# Altium PCB Quad-Stage-Prototype_V1.0.PcbDoc (part 2 of 3) (continued)
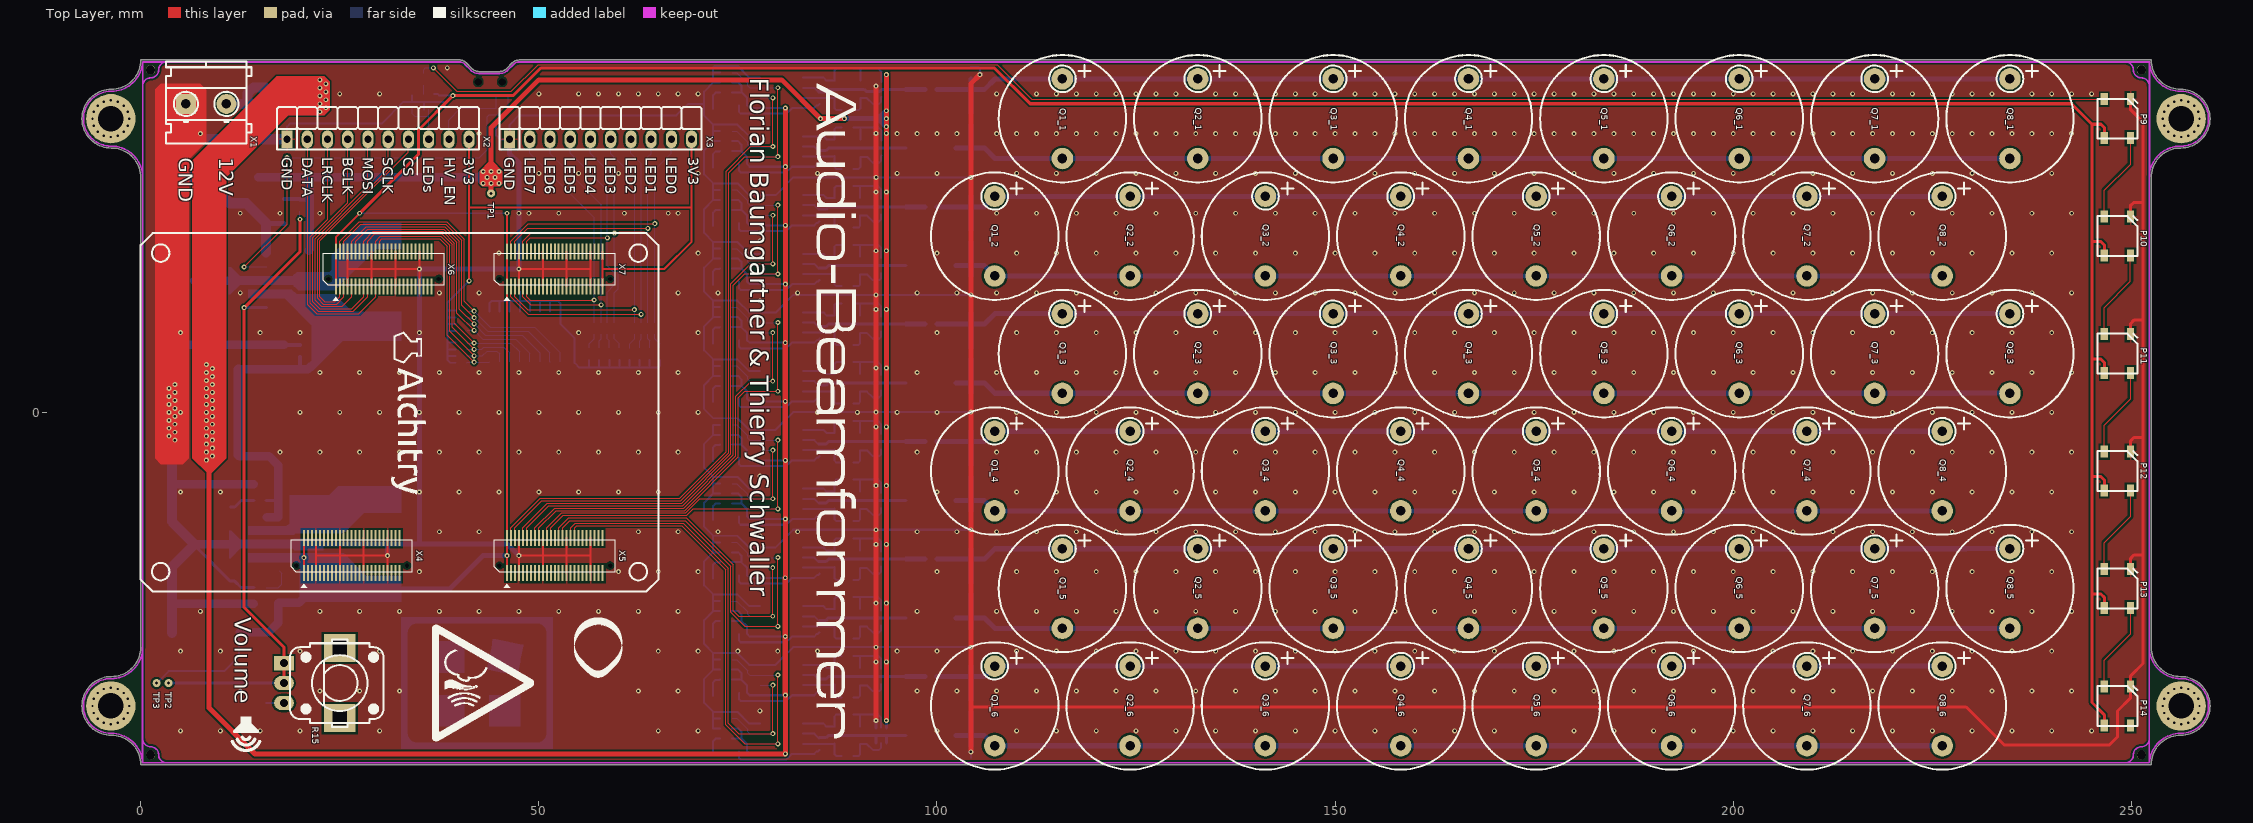
[diagram p0: Top Layer view]
## Nets (pads, with @x,y where several pads share a name; then routed paths per layer and width w, separated by ;. In a path a pad name is that pad's centre, name@x,y a point inside that pad or via, vN(x,y) a via of type N, cw(c..) or ccw(c..) an arc to the next point about the centre after c; other vN are vias at no path point) (continued)
HI1: R12_1.2 U1_1.2 U2_1.3 X5.48 | length 91.8
  Top Layer w0.152: X5.48@47,-15.8 47,-14.5 50.384,-11.116 67.797,-11.116 73.819,-5.094 73.819,30.069 75.868,32.118 v1(80.021,32.118) v1(80.021,40.762)
  Bottom Layer w0.152: R12_1.2@74.265,42.674 74.876,42.674 76.25,41.3 76.25,41 76.495,40.755 U2_1.3@77.803,40.755 v1@80.028,40.755 ; U1_1.2@77.803,32.111 v1@80.028,32.111
HI2: R12_2.2 U1_2.2 U2_2.3 X5.45 | length 76.1
  Top Layer w0.152: X5.45@48.5,-15.8 48.5,-14.5 50.624,-12.376 51.274,-11.726 68.05,-11.726 74.429,-5.347 74.429,15.929 75.873,17.373 v1(80.018,17.373) v1(80.018,26.017)
  Bottom Layer w0.152: R12_2.2@74.262,27.929 74.873,27.929 76.247,26.555 76.247,26.255 76.492,26.01 U2_2.3@77.8,26.01 v1@80.025,26.01 ; U1_2.2@77.8,17.366 v1@80.025,17.366
HI3: R12_3.2 U1_3.2 U2_3.3 X5.42 | length 60.4
  Top Layer w0.152: X5.42@50,-15.8 50,-14.5 52.164,-12.336 68.302,-12.336 75.055,-5.583 75.055,1.825 75.873,2.643 v1(80.014,2.643) v1(80.014,11.287)
  Bottom Layer w0.152: R12_3.2@74.258,13.199 74.869,13.199 76.243,11.825 76.243,11.525 76.488,11.28 U2_3.3@77.796,11.28 v1@80.021,11.28 ; U1_3.2@77.796,2.636 v1@80.021,2.636
HI4: R12_4.2 U1_4.2 U2_4.3 X5.39 | length 48.4
  Top Layer w0.152: X5.39@51.5,-15.8 51.5,-14.5 53.055,-12.945 68.555,-12.945 69.373,-12.127 v1(80.018,-12.127) v1(80.018,-3.483)
  Bottom Layer w0.152: R12_4.2@74.262,-1.571 74.873,-1.571 76.247,-2.945 76.247,-3.245 76.492,-3.49 U2_4.3@77.8,-3.49 v1@80.025,-3.49 ; U1_4.2@77.8,-12.134 v1@80.025,-12.134
HI5: R12_5.2 U1_5.2 U2_5.3 X5.36 | length 55.2
  Top Layer w0.152: X5.36@53,-15.8 53,-14.5 53.89,-13.61 68.36,-13.61 74.11,-19.36 74.11,-25.119 75.873,-26.882 v1(80.014,-26.882) v1(80.014,-18.238)
  Bottom Layer w0.152: R12_5.2@74.258,-16.326 74.869,-16.326 76.243,-17.7 76.243,-18 76.488,-18.245 U2_5.3@77.796,-18.245 v1@80.021,-18.245 ; U1_5.2@77.796,-26.889 v1@80.021,-26.889
HI6: R12_6.2 U1_6.2 U2_6.3 X5.33 | length 67.3
  Top Layer w0.152: X5.33@54.5,-15.8 54.5,-14.5 54.781,-14.219 67.969,-14.219 73.5,-19.75 73.5,-39.25 75.877,-41.627 v1(80.018,-41.627) v1(80.018,-32.983)
  Bottom Layer w0.152: R12_6.2@74.262,-31.071 74.873,-31.071 76.247,-32.445 76.247,-32.745 76.492,-32.99 U2_6.3@77.8,-32.99 v1@80.025,-32.99 ; U1_6.2@77.8,-41.634 v1@80.025,-41.634
HV: C11.2 C12.P D8.K K1_1.6 K1_2.6 K1_3.6 K1_4.6 K1_5.6 K1_6.6 K2_1.6 K2_2.6 K2_3.6 K2_4.6 K2_5.6 K2_6.6 R14.2 TP1.1 | length 201
  Top Layer w0.635: TP1.1@44,27.5 44,29.9 ; v1@44,30.5 44,35.75 50,41.75 80.5,41.75 v1(85.375,36.875) v1(86.375,36.875) v1(87.375,36.875) v1(88.375,36.875) ; v1@93.635,-31.329 v1(93.635,-23.961) v1(93.635,-16.587) ; v1@93.635,-1.804 v1(93.635,5.564) v1(93.635,12.938) ; v1(93.639,-38.706) v1(93.639,-31.332) ; v1@93.639,-16.574 v1(93.639,-9.206) v1(93.639,-1.832) ; v1@93.639,12.926 v1(93.639,20.294) v1(93.639,27.668) ; v1@93.642,27.671 v1(93.642,35.039) v1(93.642,42.413)
  Bottom Layer w0.381: K1_5.6@93.646,-24.867 v1@93.646,-23.972 ; K2_5.6@93.646,-17.493 v1@93.646,-16.598 ; K1_3.6@93.646,4.658 v1@93.646,5.553 ; K2_3.6@93.646,12.032 v1@93.646,12.927 ; K1_6.6@93.65,-39.612 v1@93.65,-38.717 ; K2_6.6@93.65,-32.238 v1@93.65,-31.343 ; K1_4.6@93.65,-10.112 v1@93.65,-9.217 ; K2_4.6@93.65,-2.738 v1@93.65,-1.843 ; K1_2.6@93.65,19.388 v1@93.65,20.283 ; K2_2.6@93.65,26.762 v1@93.65,27.657 ; K1_1.6@93.653,34.133 v1@93.653,35.028 ; K2_1.6@93.653,41.507 v1@93.653,42.402
  Bottom Layer w0.508: C11.2@18,26.774 19.988,26.774 R14.2@20,26.762 20.012,26.75 21.25,26.75
  Bottom Layer w0.635: v1(85.375,36.875) v1(86.375,36.875) v1(87.375,36.875) v1(88.375,36.875) v1(93.65,36.875) ; v1(93.65,35.875) v1(93.65,36.875) ; v1(93.65,37.875) v1(93.65,36.875)
  Bottom Layer w1.067: C12.P@14.75,29.55 21.25,29.55 ; D8.K@21.1,20.3 21.25,20.45 21.25,26.75 21.25,29.55 ; v1@44.5,29.55 44,29.55 21.25,29.55
  other v1: 43,28.75 44,28.75 45,28.75 43.5,29.5 44.5,29.5 43,30.25 44,30.25 45,30.25
HV_EN: R16.2 S2.2 X2.9 | length 10.5
  Bottom Layer w0.152: X2.9@38.705,34.29 38.705,36.705 40.162,38.162 R16.2@44.625,38.162 44.65,38.187 S2.2@44.65,39.75
LED: R20.2 U5.2 X2.8 | length 6.7
  Bottom Layer w0.152: R20.2@34.1,38.238 34.1,37.5 34.4,37.2 36.2,37.2 ; X2.8@36.165,34.29 36.2,34.325 36.2,37.2 ; U5.2@36.2,38.05 36.2,37.2
LI1: R11_1.2 U1_1.3 U2_1.2 X5.49 | length 88.4
  Top Layer w0.152: X5.49@46.5,-15.8 46.5,-14.5 50.188,-10.812 67.671,-10.812 73.514,-4.968 73.514,30.264 76.638,33.388 v1(79.386,33.388) v1(79.386,39.492)
  Bottom Layer w0.152: R11_1.2@74.265,35.3 74.876,35.3 76.25,33.926 76.25,33.626 76.495,33.381 U1_1.3@77.803,33.381 v1@79.386,33.381 ; U2_1.2@77.803,39.485 v1@79.393,39.485
LI2: R11_2.2 U1_2.3 U2_2.2 X5.46 | length 72.7
  Top Layer w0.152: X5.46@48,-15.8 48,-14.5 51.079,-11.421 67.924,-11.421 74.124,-5.221 74.124,16.124 76.643,18.643 v1(79.383,18.643) v1(79.383,24.747)
  Bottom Layer w0.152: R11_2.2@74.262,20.555 74.873,20.555 76.247,19.181 76.247,18.881 76.492,18.636 U1_2.3@77.8,18.636 v1@79.383,18.636 ; U2_2.2@77.8,24.74 v1@79.39,24.74
LI3: R11_3.2 U1_3.3 U2_3.2 X5.43 | length 57
  Top Layer w0.152: X5.43@49.5,-15.8 49.5,-14.5 51.969,-12.031 68.176,-12.031 74.75,-5.457 74.75,2 76.663,3.913 v1(79.379,3.913) v1(79.379,10.017)
  Bottom Layer w0.152: R11_3.2@74.258,5.825 74.869,5.825 76.243,4.451 76.243,4.151 76.488,3.906 U1_3.3@77.796,3.906 v1@79.379,3.906 ; U2_3.2@77.796,10.01 v1@79.386,10.01
LI4: R11_4.2 U1_4.3 U2_4.2 X5.40 | length 45
  Top Layer w0.152: X5.40@51,-15.8 51,-14.5 52.86,-12.64 68.429,-12.64 70.212,-10.857 v1(79.383,-10.857) v1(79.383,-4.753)
  Bottom Layer w0.152: R11_4.2@74.262,-8.945 74.873,-8.945 76.247,-10.319 76.247,-10.619 76.492,-10.864 U1_4.3@77.8,-10.864 v1@79.383,-10.864 ; U2_4.2@77.8,-4.76 v1@79.39,-4.76
LI5: R11_5.2 U1_5.3 U2_5.2 X5.37 | length 51
  Top Layer w0.152: X5.37@52.5,-15.8 52.5,-14.5 53.75,-13.25 68.5,-13.25 74.414,-19.164 74.414,-24.923 75.103,-25.612 v1(79.379,-25.612) v1(79.379,-19.508)
  Bottom Layer w0.152: R11_5.2@74.258,-23.7 74.869,-23.7 76.243,-25.074 76.243,-25.374 76.488,-25.619 U1_5.3@77.796,-25.619 v1@79.379,-25.619 ; U2_5.2@77.796,-19.515 v1@79.386,-19.515
LI6: R11_6.2 U1_6.3 U2_6.2 X5.34 | length 63.1
  Top Layer w0.152: X5.34@54,-15.8 54,-14.5 54.586,-13.914 68.164,-13.914 73.805,-19.555 73.805,-39.055 75.107,-40.357 v1(79.383,-40.357) v1(79.383,-34.253)
  Bottom Layer w0.152: R11_6.2@74.262,-38.445 74.873,-38.445 76.247,-39.819 76.247,-40.119 76.492,-40.364 U1_6.3@77.8,-40.364 v1@79.383,-40.364 ; U2_6.2@77.8,-34.26 v1@79.39,-34.26
NetC2_1_1: C2_1.1 K1_1.1 K1_1.3 L1_1.1 U1_1.6 | length 15.1
  Bottom Layer w0.254: U1_1.6@83.203,33.381 84.607,33.381 C2_1.1@85.179,32.809
  Bottom Layer w0.381: C2_1.1@85.253,32.883 86.091,32.883 86.392,33.184 92.378,33.184 ; K1_1.3@92.353,32.233 92.353,33.159 92.378,33.184 ; K1_1.1@93.653,32.233 93.653,33.184 ; L1_1.1@96.103,33.183 93.653,33.184 ; 92.378,33.184 93.653,33.184
NetC2_1_2: C2_1.2 D2_1.K U1_1.8 | length 11.5
  Bottom Layer w0.254: D2_1.K@75.123,31.15 75.15,31.123 75.15,30.326 75.35,30.126 81.084,30.126 81.799,30.841 U1_1.8@83.203,30.841 84.593,30.841 84.92,31.168 85.062,31.168 C2_1.2@85.253,31.359
NetC2_2_1: C2_2.1 K1_2.1 K1_2.3 L1_2.1 U1_2.6 | length 15.1
  Bottom Layer w0.254: U1_2.6@83.2,18.636 84.604,18.636 C2_2.1@85.176,18.064
  Bottom Layer w0.381: C2_2.1@85.25,18.138 86.088,18.138 86.389,18.439 92.375,18.439 ; K1_2.3@92.35,17.488 92.35,18.413 92.375,18.439 ; K1_2.1@93.65,17.488 93.65,18.438 ; L1_2.1@96.1,18.437 93.65,18.439 ; 92.375,18.439 93.65,18.439
NetC2_2_2: C2_2.2 D2_2.K U1_2.8 | length 11.5
  Bottom Layer w0.254: D2_2.K@75.12,16.405 75.147,16.378 75.147,15.581 75.347,15.381 81.081,15.381 81.796,16.096 U1_2.8@83.2,16.096 84.59,16.096 84.917,16.423 85.059,16.423 C2_2.2@85.25,16.614
NetC2_3_1: C2_3.1 K1_3.1 K1_3.3 L1_3.1 U1_3.6 | length 15.1
  Bottom Layer w0.254: U1_3.6@83.196,3.906 84.6,3.906 C2_3.1@85.172,3.334
  Bottom Layer w0.381: C2_3.1@85.246,3.408 86.084,3.408 86.385,3.709 92.371,3.709 ; K1_3.3@92.346,2.758 92.346,3.684 92.371,3.709 ; K1_3.1@93.646,2.758 93.646,3.708 ; L1_3.1@96.096,3.708 93.646,3.709 ; 92.371,3.709 93.646,3.709
NetC2_3_2: C2_3.2 D2_3.K U1_3.8 | length 11.5
  Bottom Layer w0.254: D2_3.K@75.116,1.675 75.143,1.648 75.143,0.851 75.343,0.651 81.077,0.651 81.792,1.366 U1_3.8@83.196,1.366 84.586,1.366 84.913,1.693 85.055,1.693 C2_3.2@85.246,1.884
NetC2_4_1: C2_4.1 K1_4.1 K1_4.3 L1_4.1 U1_4.6 | length 15.1
  Bottom Layer w0.254: U1_4.6@83.2,-10.864 84.604,-10.864 C2_4.1@85.176,-11.436
  Bottom Layer w0.381: C2_4.1@85.25,-11.362 86.088,-11.362 86.389,-11.061 92.375,-11.061 ; K1_4.3@92.35,-12.012 92.35,-11.087 92.375,-11.061 ; K1_4.1@93.65,-12.012 93.65,-11.062 ; L1_4.1@96.1,-11.063 93.65,-11.061 ; 92.375,-11.061 93.65,-11.061
NetC2_4_2: C2_4.2 D2_4.K U1_4.8 | length 11.5
  Bottom Layer w0.254: D2_4.K@75.12,-13.095 75.147,-13.122 75.147,-13.919 75.347,-14.119 81.081,-14.119 81.796,-13.404 U1_4.8@83.2,-13.404 84.59,-13.404 84.917,-13.077 85.059,-13.077 C2_4.2@85.25,-12.886
NetC2_5_1: C2_5.1 K1_5.1 K1_5.3 L1_5.1 U1_5.6 | length 15.1
  Bottom Layer w0.254: U1_5.6@83.196,-25.619 84.6,-25.619 C2_5.1@85.172,-26.191
  Bottom Layer w0.381: C2_5.1@85.246,-26.117 86.084,-26.117 86.385,-25.816 92.371,-25.816 ; K1_5.3@92.346,-26.767 92.346,-25.842 92.371,-25.816 ; K1_5.1@93.646,-26.767 93.646,-25.817 ; L1_5.1@96.096,-25.817 93.646,-25.816 ; 92.371,-25.816 93.646,-25.816
NetC2_5_2: C2_5.2 D2_5.K U1_5.8 | length 11.5
  Bottom Layer w0.254: D2_5.K@75.116,-27.85 75.143,-27.877 75.143,-28.674 75.343,-28.874 81.077,-28.874 81.792,-28.159 U1_5.8@83.196,-28.159 84.586,-28.159 84.913,-27.832 85.055,-27.832 C2_5.2@85.246,-27.641
NetC2_6_1: C2_6.1 K1_6.1 K1_6.3 L1_6.1 U1_6.6 | length 15.1
  Bottom Layer w0.254: U1_6.6@83.2,-40.364 84.604,-40.364 C2_6.1@85.176,-40.936
  Bottom Layer w0.381: C2_6.1@85.25,-40.862 86.088,-40.862 86.389,-40.561 92.375,-40.561 ; K1_6.3@92.35,-41.512 92.35,-40.586 92.375,-40.561 ; K1_6.1@93.65,-41.512 93.65,-40.562 ; L1_6.1@96.1,-40.562 93.65,-40.561 ; 92.375,-40.561 93.65,-40.561
NetC2_6_2: C2_6.2 D2_6.K U1_6.8 | length 11.5
  Bottom Layer w0.254: D2_6.K@75.12,-42.595 75.147,-42.622 75.147,-43.419 75.347,-43.619 81.081,-43.619 81.796,-42.904 U1_6.8@83.2,-42.904 84.59,-42.904 84.917,-42.577 85.059,-42.577 C2_6.2@85.25,-42.386
NetC3_1_1: C3_1.1 C4_1.2 L1_1.2 Q1_1.2 Q2_1.2 Q3_1.2 Q4_1.2 Q5_1.2 Q6_1.2 Q7_1.2 Q8_1.2 | length 148.6
  Bottom Layer w0.635: L1_1.2@102.403,33.183 104.194,33.183 ; C3_1.1@104.253,31.882 104.253,33.124 104.194,33.183 ; 104.253,33.183 C4_1.2@104.253,36.108 ; Q7_1.2@217.75,31.875 Q8_1.2@234.75,31.875 ; 229.253,31.87 212.253,31.87 195.253,31.87 178.253,31.87 161.253,31.87 144.253,31.87 127.253,31.87 110.253,31.87 107.298,31.87 105.985,33.183 104.194,33.183
NetC3_2_1: C3_2.1 C4_2.2 L1_2.2 Q1_2.2 Q2_2.2 Q3_2.2 Q4_2.2 Q5_2.2 Q6_2.2 Q7_2.2 Q8_2.2 | length 131.6
  Bottom Layer w0.635: L1_2.2@102.4,18.437 104.191,18.437 ; C3_2.1@104.25,17.137 104.25,18.379 104.191,18.437 ; 104.25,18.437 C4_2.2@104.25,21.363 ; Q1_2.2@107.25,17.125 105.937,18.437 104.191,18.437 ; Q1_2.2@107.295,17.125 110.25,17.125 127.25,17.125 144.25,17.125 161.25,17.125 178.25,17.125 195.25,17.125 212.25,17.125 ; Q7_2.2@209.25,17.125 Q8_2.2@226.25,17.125
NetC3_3_1: C3_3.1 C4_3.2 L1_3.2 Q1_3.2 Q2_3.2 Q3_3.2 Q4_3.2 Q5_3.2 Q6_3.2 Q7_3.2 Q8_3.2 | length 148.6
  Bottom Layer w0.635: L1_3.2@102.396,3.708 104.187,3.707 ; C3_3.1@104.246,2.407 104.246,3.649 104.187,3.707 ; 104.246,3.707 C4_3.2@104.246,6.633 ; Q7_3.2@217.743,2.4 Q8_3.2@234.743,2.4 ; 229.246,2.395 212.246,2.395 195.246,2.395 178.246,2.395 161.246,2.395 144.246,2.395 127.246,2.395 110.246,2.395 107.291,2.395 105.978,3.707 104.187,3.707
NetC3_4_1: C3_4.1 C4_4.2 L1_4.2 Q1_4.2 Q2_4.2 Q3_4.2 Q4_4.2 Q5_4.2 Q6_4.2 Q7_4.2 Q8_4.2 | length 131.6
  Bottom Layer w0.635: L1_4.2@102.4,-11.063 104.191,-11.063 ; C3_4.1@104.25,-12.363 104.25,-11.121 104.191,-11.063 ; 104.25,-11.063 C4_4.2@104.25,-8.137 ; Q1_4.2@107.25,-12.375 105.937,-11.063 104.191,-11.063 ; Q1_4.2@107.295,-12.375 110.25,-12.375 127.25,-12.375 144.25,-12.375 161.25,-12.375 178.25,-12.375 195.25,-12.375 212.25,-12.375 ; Q7_4.2@209.25,-12.375 Q8_4.2@226.25,-12.375
NetC3_5_1: C3_5.1 C4_5.2 L1_5.2 Q1_5.2 Q2_5.2 Q3_5.2 Q4_5.2 Q5_5.2 Q6_5.2 Q7_5.2 Q8_5.2 | length 148.6
  Bottom Layer w0.635: L1_5.2@102.396,-25.817 104.187,-25.818 ; C3_5.1@104.246,-27.118 104.246,-25.876 104.187,-25.818 ; 104.246,-25.818 C4_5.2@104.246,-22.892 ; Q7_5.2@217.743,-27.125 Q8_5.2@234.743,-27.125 ; 229.246,-27.13 212.246,-27.13 195.246,-27.13 178.246,-27.13 161.246,-27.13 144.246,-27.13 127.246,-27.13 110.246,-27.13 107.291,-27.13 105.978,-25.818 104.187,-25.818
NetC3_6_1: C3_6.1 C4_6.2 L1_6.2 Q1_6.2 Q2_6.2 Q3_6.2 Q4_6.2 Q5_6.2 Q6_6.2 Q7_6.2 Q8_6.2 | length 131.6
  Bottom Layer w0.635: L1_6.2@102.4,-40.562 104.191,-40.563 ; C3_6.1@104.25,-41.863 104.25,-40.621 104.191,-40.563 ; 104.25,-40.563 C4_6.2@104.25,-37.637 ; Q1_6.2@107.25,-41.875 105.937,-40.563 104.191,-40.563 ; Q1_6.2@107.295,-41.875 110.25,-41.875 127.25,-41.875 144.25,-41.875 161.25,-41.875 178.25,-41.875 195.25,-41.875 212.25,-41.875 ; Q7_6.2@209.25,-41.875 Q8_6.2@226.25,-41.875
NetC4_1_1: C4_1.1 C5_1.1 L2_1.2 Q1_1.1 Q2_1.1 Q3_1.1 Q4_1.1 Q5_1.1 Q6_1.1 Q7_1.1 Q8_1.1 R9_1.2 | length 151
  Bottom Layer w0.635: R9_1.2@100.015,40.557 102.402,40.557 104.194,40.558 ; C4_1.1@104.253,37.632 104.253,40.558 ; C5_1.1@104.253,41.858 104.253,40.616 104.194,40.558 ; Q7_1.1@217.75,41.875 Q8_1.1@234.75,41.875 ; 229.253,41.87 212.253,41.87 195.253,41.87 178.253,41.87 161.253,41.87 144.253,41.87 127.253,41.87 110.253,41.87 107.298,41.87 105.985,40.558 104.194,40.558
NetC4_2_1: C4_2.1 C5_2.1 L2_2.2 Q1_2.1 Q2_2.1 Q3_2.1 Q4_2.1 Q5_2.1 Q6_2.1 Q7_2.1 Q8_2.1 R9_2.2 | length 134
  Bottom Layer w0.635: R9_2.2@100.012,25.812 L2_2.2@102.4,25.812 104.191,25.812 ; C4_2.1@104.25,22.887 104.25,25.812 ; C5_2.1@104.25,27.113 104.25,25.871 104.191,25.812 ; Q1_2.1@107.25,27.125 105.937,25.812 104.191,25.812 ; Q1_2.1@107.295,27.125 110.25,27.125 127.25,27.125 144.25,27.125 161.25,27.125 178.25,27.125 195.25,27.125 212.25,27.125 ; Q7_2.1@209.25,27.125 Q8_2.1@226.25,27.125
NetC4_3_1: C4_3.1 C5_3.1 L2_3.2 Q1_3.1 Q2_3.1 Q3_3.1 Q4_3.1 Q5_3.1 Q6_3.1 Q7_3.1 Q8_3.1 R9_3.2 | length 151
  Bottom Layer w0.635: R9_3.2@100.008,11.082 L2_3.2@102.396,11.083 ; L2_3.2@102.396,11.083 104.187,11.083 ; C4_3.1@104.246,8.157 104.246,11.083 ; C5_3.1@104.246,12.383 104.246,11.141 104.187,11.083 ; Q7_3.1@217.743,12.4 Q8_3.1@234.743,12.4 ; 229.246,12.395 212.246,12.395 195.246,12.395 178.246,12.395 161.246,12.395 144.246,12.395 127.246,12.395 110.246,12.395 107.291,12.395 105.978,11.083 104.187,11.083
NetC4_4_1: C4_4.1 C5_4.1 L2_4.2 Q1_4.1 Q2_4.1 Q3_4.1 Q4_4.1 Q5_4.1 Q6_4.1 Q7_4.1 Q8_4.1 R9_4.2 | length 134
  Bottom Layer w0.635: R9_4.2@100.012,-3.688 L2_4.2@102.4,-3.688 ; L2_4.2@102.4,-3.688 104.191,-3.688 ; C4_4.1@104.25,-6.613 104.25,-3.688 ; C5_4.1@104.25,-2.387 104.25,-3.629 104.191,-3.688 ; Q1_4.1@107.25,-2.375 105.937,-3.688 104.191,-3.688 ; Q1_4.1@107.295,-2.375 110.25,-2.375 127.25,-2.375 144.25,-2.375 161.25,-2.375 178.25,-2.375 195.25,-2.375 212.25,-2.375 ; Q7_4.1@209.25,-2.375 Q8_4.1@226.25,-2.375
NetC4_5_1: C4_5.1 C5_5.1 L2_5.2 Q1_5.1 Q2_5.1 Q3_5.1 Q4_5.1 Q5_5.1 Q6_5.1 Q7_5.1 Q8_5.1 R9_5.2 | length 151
  Bottom Layer w0.635: R9_5.2@100.008,-18.443 L2_5.2@102.396,-18.443 ; L2_5.2@102.396,-18.443 104.187,-18.443 ; C4_5.1@104.246,-21.368 104.246,-18.443 ; C5_5.1@104.246,-17.142 104.246,-18.384 104.187,-18.443 ; Q7_5.1@217.743,-17.125 Q8_5.1@234.743,-17.125 ; 229.246,-17.13 212.246,-17.13 195.246,-17.13 178.246,-17.13 161.246,-17.13 144.246,-17.13 127.246,-17.13 110.246,-17.13 107.291,-17.13 105.978,-18.443 104.187,-18.443
NetC4_6_1: C4_6.1 C5_6.1 L2_6.2 Q1_6.1 Q2_6.1 Q3_6.1 Q4_6.1 Q5_6.1 Q6_6.1 Q7_6.1 Q8_6.1 R9_6.2 | length 134
  Bottom Layer w0.635: R9_6.2@100.012,-33.188 L2_6.2@102.4,-33.188 104.191,-33.188 ; C4_6.1@104.25,-36.113 104.25,-33.188 ; C5_6.1@104.25,-31.887 104.25,-33.129 104.191,-33.188 ; Q1_6.1@107.25,-31.875 105.937,-33.188 104.191,-33.188 ; Q1_6.1@107.295,-31.875 110.25,-31.875 127.25,-31.875 144.25,-31.875 161.25,-31.875 178.25,-31.875 195.25,-31.875 212.25,-31.875 ; Q7_6.1@209.25,-31.875 Q8_6.1@226.25,-31.875
NetC7_1_1: C7_1.1 K2_1.1 K2_1.3 L2_1.1 R9_1.1 U2_1.6 | length 17.5
  Bottom Layer w0.254: U2_1.6@83.203,40.755 84.607,40.755 C7_1.1@85.105,40.257
  Bottom Layer w0.381: C7_1.1@85.105,40.257 C7_1.1@85.253,40.257 86.091,40.257 86.392,40.558 90.858,40.558 91.106,40.31 92.353,40.31 ; K2_1.3@92.353,39.607 92.353,40.31 ; K2_1.1@93.653,39.607 93.653,40.558 ; L2_1.1@96.103,40.558 93.653,40.558 ; 92.353,40.31 92.866,40.31 93.114,40.558 93.653,40.558
  Bottom Layer w0.635: L2_1.1@96.103,40.558 R9_1.1@98.491,40.558
NetC7_1_2: C7_1.2 D5_1.K U2_1.8 | length 11.5
  Bottom Layer w0.254: D5_1.K@75.123,38.524 75.15,38.497 75.15,37.7 75.35,37.5 81.084,37.5 81.799,38.215 U2_1.8@83.203,38.215 84.593,38.215 84.92,38.542 85.062,38.542 C7_1.2@85.253,38.733
NetC7_2_1: C7_2.1 K2_2.1 K2_2.3 L2_2.1 R9_2.1 U2_2.6 | length 17.5
  Bottom Layer w0.254: U2_2.6@83.2,26.01 84.604,26.01 C7_2.1@85.102,25.512
  Bottom Layer w0.381: C7_2.1@85.102,25.512 C7_2.1@85.25,25.512 86.088,25.512 86.389,25.812 92.375,25.812 ; K2_2.3@92.35,24.862 92.35,25.787 92.375,25.812 ; K2_2.1@93.65,24.862 93.65,25.812 ; L2_2.1@96.1,25.812 93.65,25.812 ; 92.375,25.812 93.65,25.812
  Bottom Layer w0.635: L2_2.1@96.1,25.812 R9_2.1@98.488,25.812
NetC7_2_2: C7_2.2 D5_2.K U2_2.8 | length 11.5
  Bottom Layer w0.254: D5_2.K@75.12,23.779 75.147,23.752 75.147,22.955 75.347,22.755 81.081,22.755 81.796,23.47 U2_2.8@83.2,23.47 84.59,23.47 84.917,23.797 85.059,23.797 C7_2.2@85.25,23.988
NetC7_3_1: C7_3.1 K2_3.1 K2_3.3 L2_3.1 R9_3.1 U2_3.6 | length 17.5
  Bottom Layer w0.254: U2_3.6@83.196,11.28 84.6,11.28 C7_3.1@85.098,10.782
  Bottom Layer w0.381: C7_3.1@85.098,10.782 C7_3.1@85.246,10.782 86.084,10.782 86.385,11.083 92.371,11.083 ; K2_3.3@92.346,10.132 92.346,11.057 92.371,11.083 ; K2_3.1@93.646,10.132 93.646,11.082 ; L2_3.1@96.096,11.083 93.646,11.083 ; 92.371,11.083 93.646,11.083
  Bottom Layer w0.635: L2_3.1@96.096,11.083 R9_3.1@98.484,11.082
NetC7_3_2: C7_3.2 D5_3.K U2_3.8 | length 11.5
  Bottom Layer w0.254: D5_3.K@75.116,9.049 75.143,9.022 75.143,8.225 75.343,8.025 81.077,8.025 81.792,8.74 U2_3.8@83.196,8.74 84.586,8.74 84.913,9.067 85.055,9.067 C7_3.2@85.246,9.258
NetC7_4_1: C7_4.1 K2_4.1 K2_4.3 L2_4.1 R9_4.1 U2_4.6 | length 17.5
  Bottom Layer w0.254: U2_4.6@83.2,-3.49 84.604,-3.49 C7_4.1@85.102,-3.988
  Bottom Layer w0.381: C7_4.1@85.102,-3.988 C7_4.1@85.25,-3.988 86.088,-3.988 86.389,-3.688 92.375,-3.688 ; K2_4.3@92.35,-4.638 92.35,-3.713 92.375,-3.688 ; K2_4.1@93.65,-4.638 93.65,-3.688 ; L2_4.1@96.1,-3.688 93.65,-3.688 ; 92.375,-3.688 93.65,-3.688
  Bottom Layer w0.635: L2_4.1@96.1,-3.688 R9_4.1@98.488,-3.688
NetC7_4_2: C7_4.2 D5_4.K U2_4.8 | length 11.5
  Bottom Layer w0.254: D5_4.K@75.12,-5.721 75.147,-5.748 75.147,-6.545 75.347,-6.745 81.081,-6.745 81.796,-6.03 U2_4.8@83.2,-6.03 84.59,-6.03 84.917,-5.703 85.059,-5.703 C7_4.2@85.25,-5.512
NetC7_5_1: C7_5.1 K2_5.1 K2_5.3 L2_5.1 R9_5.1 U2_5.6 | length 17.5
  Bottom Layer w0.254: U2_5.6@83.196,-18.245 84.6,-18.245 C7_5.1@85.098,-18.743
  Bottom Layer w0.381: C7_5.1@85.098,-18.743 C7_5.1@85.246,-18.743 86.084,-18.743 86.385,-18.443 92.371,-18.443 ; K2_5.3@92.346,-19.393 92.346,-18.468 92.371,-18.443 ; K2_5.1@93.646,-19.393 93.646,-18.443 ; L2_5.1@96.096,-18.443 93.646,-18.443 ; 92.371,-18.443 93.646,-18.443
  Bottom Layer w0.635: L2_5.1@96.096,-18.443 R9_5.1@98.484,-18.443
NetC7_5_2: C7_5.2 D5_5.K U2_5.8 | length 11.5
  Bottom Layer w0.254: D5_5.K@75.116,-20.476 75.143,-20.503 75.143,-21.3 75.343,-21.5 81.077,-21.5 81.792,-20.785 U2_5.8@83.196,-20.785 84.586,-20.785 84.913,-20.458 85.055,-20.458 C7_5.2@85.246,-20.267
NetC7_6_1: C7_6.1 K2_6.1 K2_6.3 L2_6.1 R9_6.1 U2_6.6 | length 17.5
  Bottom Layer w0.254: U2_6.6@83.2,-32.99 84.604,-32.99 C7_6.1@85.102,-33.488
  Bottom Layer w0.381: C7_6.1@85.102,-33.488 C7_6.1@85.25,-33.488 86.088,-33.488 86.389,-33.188 92.375,-33.188 ; K2_6.3@92.35,-34.138 92.35,-33.213 92.375,-33.188 ; K2_6.1@93.65,-34.138 93.65,-33.188 ; L2_6.1@96.1,-33.188 93.65,-33.188 ; 92.375,-33.188 93.65,-33.188
  Bottom Layer w0.635: L2_6.1@96.1,-33.188 R9_6.1@98.488,-33.188